# Allegro board 20250806_UNOQ.brd (continued)
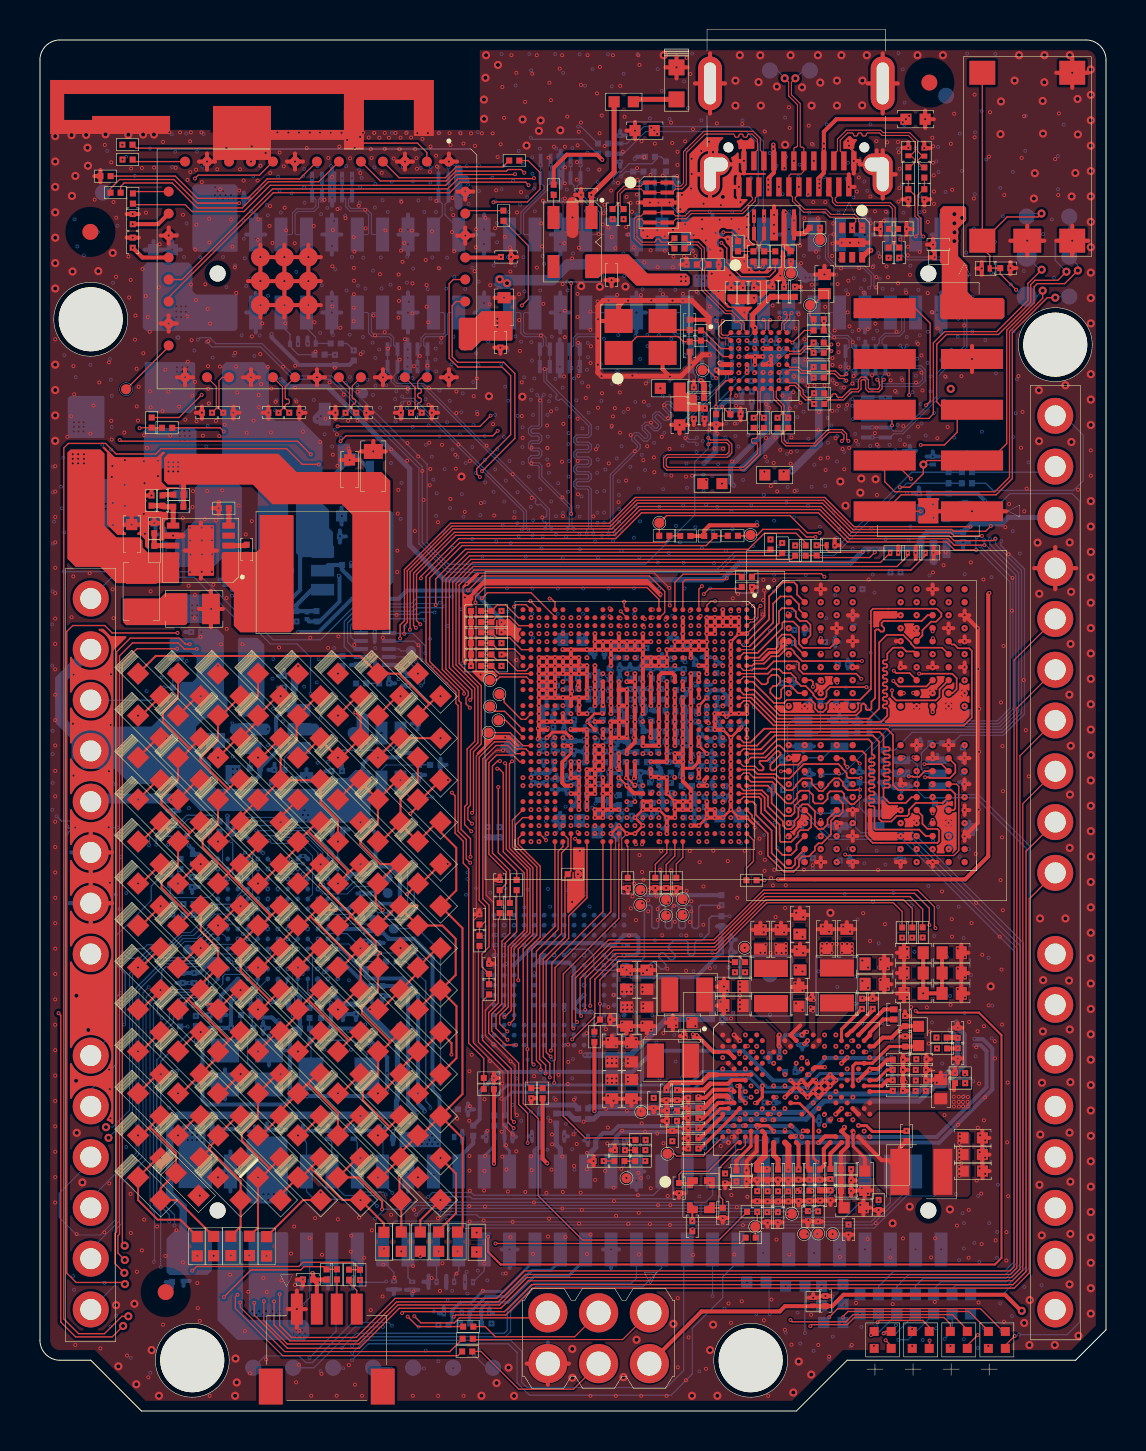
[diagram p0: board, top side]
## Routing (per net, layer and track width the routed paths; a pad name or vN(x,y) marks a point on that pad's centre or on a via; arc(x,y) is an arc through that point) (continued)
  vias: v1(0.76,53.61) v1(0.76,47.26) v1(0.76,45.99) v1(0.76,44.72) v1(0.76,43.45) v1(0.76,42.18) v1(0.76,40.91) v1(0.76,39.64) v1(0.76,38.37) v1(0.76,37.1) v1(0.76,35.83) v1(0.76,34.56) v1(0.76,33.29) v1(0.76,32.02) v1(0.76,30.75) v1(0.76,29.48) v1(0.76,28.21) v1(0.76,26.94) v1(0.76,25.67) v1(0.76,24.4) v1(0.76,23.13) v1(0.76,21.86) v1(0.76,20.59) v1(0.76,19.32) v1(0.76,18.05) v1(0.76,16.78) v1(0.76,15.51) v1(0.76,14.24) v1(0.76,12.97) v1(0.76,11.7) v1(0.76,10.43) v1(1.37,48.73) v1(1.55,49.76) v1(1.58,39.7) v1(1.65,34.38) v1(1.68,52.27) v1(1.72,50.85) v1(1.67,41.74) v1(1.68,36.84) v1(1.68,31.79) v1(1.76,29.18) v1(1.83,8.85) v1(1.77,3.3) v1(2.52,48.89) v1(2.48,41.91) v1(2.73,60.59) v1(2.67,50.3) v1(2.97,51.45) v1(3.02,3.13) v1(3.25,63.33) v1(3.22,8.94) v1(3.44,29.2) v1(3.45,52.45) v1(3.54,34.32) v1(3.45,32.01) v1(3.5,26.43) v1(3.46,17.07) v1(3.5,16.1) v1(3.52,14.64) v1(3.46,11.38) v1(3.56,62.46) v1(3.56,49.53) v1(3.59,48.59) v1(3.62,47.27) v1(3.6,46.72) v1(3.65,45.42) v1(3.63,41.1) v1(3.56,36.85) v1(3.68,60.48) v1(3.65,44.31) v1(3.68,39.66) v1(3.82,59.69) v1(3.81,56.73) v1(4.22,48.95) v1(4.25,47.56) v1(4.25,46.33) v1(4.25,45.27) v1(4.43,57.74) v1(4.36,2.77) v1(4.54,56.58) v1(4.46,55.7) v1(4.53,10.86) v1(4.54,8.9) v1(4.56,62.15) v1(4.78,54.8) v1(4.75,53.59) v1(4.83,52.13) v1(4.84,50.25) v1(4.85,6.97) v1(4.94,51.23) v1(4.91,49.54) v1(5.1,62.18) v1(5.13,57.12) v1(5.1,8.04) v1(5.17,52.91) v1(5.21,48.81) v1(5.21,47.51) v1(5.23,46.41) v1(5.2,44.88) v1(5.25,43.88) v1(5.21,9.57) v1(5.3,59.95) v1(5.29,55.77) v1(5.39,54.72) v1(5.36,48.17) v1(5.42,1.69) v1(5.49,53.98) v1(5.5,51) v1(5.54,50.2) v1(5.54,41) v1(5.71,62.2) v1(5.95,56.21) v1(5.91,47.54) v1(5.91,46.77) v1(5.86,9.23) v1(5.99,58.37) v1(6.13,50.02) v1(6.16,63.48) v1(6.16,4.32) v1(6.28,52.09) v1(6.28,7.75) v1(6.42,50.98) v1(6.48,63.96) v1(6.52,48.79) v1(6.79,62.19) v1(6.83,9.04) v1(7.01,63.96) v1(6.96,50.24) v1(7.16,59.84) v1(7.15,44.66) v1(7.15,7.43) v1(7.27,49.59) v1(7.38,61.58) v1(7.38,54.76) v1(7.39,52.48) v1(7.43,41.28) v1(7.55,63.96) v1(7.51,63.51) v1(7.52,61.97) v1(7.51,44.18) v1(7.52,43.54) v1(7.53,42.84) v1(7.51,41.97) v1(7.55,56.35) v1(7.58,53.56) v1(7.62,50.78) v1(7.63,45.22) v1(7.66,46.02) v1(7.74,39.66) v1(7.81,62.09) v1(7.83,59.34) v1(7.76,58.1) v1(7.81,55.58) v1(7.75,51.48) v1(7.83,49.51) v1(7.75,40.81) v1(7.87,6.4) v1(7.89,5.14) v1(8.04,38.73) v1(8,4.51) v1(8.08,63.96) v1(8.1,61.47) v1(8.09,44.19) v1(8.1,43.55) v1(8.11,42.85) v1(8.09,41.98) v1(8.15,48.78) v1(8.25,44.62) v1(8.28,56.36) v1(8.39,55.13) v1(8.43,53.51) v1(8.4,52.27) v1(8.41,51.13) v1(8.37,46.02) v1(8.46,59.64) v1(8.47,58.45) v1(8.52,54.4) v1(8.46,50.41) v1(8.49,0.76) v1(8.6,44.19) v1(8.61,43.55) v1(8.62,42.85) v1(8.6,41.98) v1(8.68,41.34) v1(8.8,49.53) v1(8.81,44.56) v1(8.87,62.11) v1(9.01,61.1) v1(9.01,52.24) v1(8.97,48.77) v1(9.12,46.05) v1(9.05,38.35) v1(9.24,49.33) v1(9.32,63.18) v1(9.33,40.66) v1(9.35,39.12) v1(9.51,6.82) v1(9.56,59.6) v1(9.63,58.24) v1(9.75,57.21) v1(9.82,55.93) v1(9.77,52.93) v1(9.81,52.24) v1(9.87,50.95) v1(9.94,45.29) v1(10.01,62.11) v1(9.97,61.05) v1(10.13,38.35) v1(10.19,61.55) v1(10.35,48.94) v1(10.29,43.85) v1(10.26,4) v1(10.43,5.96) v1(10.5,1.89) v1(10.6,63.26) v1(10.6,53.75) v1(10.6,44.51) v1(10.69,49.54) v1(10.89,61.55) v1(10.92,59.62) v1(10.9,58.58) v1(10.95,50.82) v1(11.03,62.29) v1(11.02,52.87) v1(10.96,50.22) v1(11.12,54.4) v1(11.06,51.37) v1(11.17,6.65) v1(11.29,62.93) v1(11.35,5.96) v1(11.31,2.58) v1(11.4,52.23) v1(11.52,61.93) v1(11.51,60.27) v1(11.49,59.28) v1(11.63,58.43) v1(11.58,51.15) v1(11.55,48.95) v1(11.79,50.48) v1(11.88,63.96) v1(11.99,62.95) v1(11.96,38.19) v1(12.09,6.53) v1(12.2,62.26) v1(12.24,60.19) v1(12.17,52.24) v1(12.32,59.06) v1(12.27,54.41) v1(12.43,63.95) v1(12.56,7.88) v1(12.74,58.41) v1(12.72,9.23) v1(12.77,52.28) v1(12.77,51.19) v1(12.84,50.49) v1(12.76,6.3) v1(12.81,1.44) v1(12.96,63.95) v1(12.97,4.01) v1(12.96,2.31) v1(13.16,48.99) v1(13.35,63.17) v1(13.5,63.95) v1(13.53,38.68) v1(13.49,8.64) v1(13.57,0.76) v1(13.7,59.27) v1(13.73,54.46) v1(13.79,52.99) v1(13.77,9.65) v1(14.01,63.95) v1(14.02,48.47) v1(14.11,7.82) v1(14.09,1.86) v1(14.23,60.59) v1(14.29,49.64) v1(14.43,62.68) v1(14.42,38.17) v1(14.49,51.45) v1(14.56,63.94) v1(14.62,61.73) v1(14.63,57.26) v1(14.63,55.26) v1(14.65,59.08) v1(14.65,47.84) v1(14.76,52.19) v1(14.84,0.76) v1(14.88,60.12) v1(14.86,48.85) v1(14.88,47.28) v1(14.93,38.74) v1(14.9,9.59) v1(14.98,63.25) v1(15.04,54.19) v1(15.09,63.94) v1(15.2,50.84) v1(15.29,59.67) v1(15.37,63.58) v1(15.41,49.53) v1(15.45,48.15) v1(15.52,62.66) v1(15.49,47.57) v1(15.46,2.29) v1(15.57,8.77) v1(15.55,7.97) v1(15.7,58.72) v1(15.73,57.99) v1(15.71,57.18) v1(15.71,56.53) v1(15.71,55.86) v1(15.7,55.19) v1(15.7,54.52) v1(15.73,38.33) v1(15.75,63.18) v1(15.76,1.32) v1(15.95,60.29) v1(15.9,50.98) v1(15.89,49.54) v1(16.02,63.73) v1(16.03,61.92) v1(16.05,52.87) v1(15.96,9.67) v1(16.11,0.76) v1(16.17,63.94) v1(16.22,7.67) v1(16.27,60.09) v1(16.3,59.16) v1(16.45,63.7) v1(16.55,5.04) v1(16.55,63.12) v1(16.59,62.67) v1(16.59,37.81) v1(16.61,9.04) v1(16.72,63.93) v1(16.69,54.8) v1(16.77,53.81) v1(16.98,63.69) v1(17.01,56.87) v1(17.1,61.94) v1(17.14,5.73) v1(17.25,63.93) v1(17.25,63.13) v1(17.25,53.97) v1(17.16,38.69) v1(17.18,7.32) v1(17.29,59.06) v1(17.41,53.14) v1(17.46,63.69) v1(17.57,48.1) v1(17.57,9.81) v1(17.7,62.65) v1(17.73,6.67) v1(17.79,63.93) v1(17.84,39.83) v1(17.95,56.85) v1(17.93,54.7) v1(17.93,46.08) v1(17.9,44.89) v1(17.88,43.03) v1(17.87,41.97) v1(18.04,63.69) v1(17.99,63.12) v1(18.05,59.06) v1(17.98,56.17) v1(17.96,55.53) v1(18,52.59) v1(17.98,37.31) v1(18.08,60.48) v1(18.06,58.05) v1(18.14,57.48) v1(18.23,58.42) v1(18.33,63.93) v1(18.27,53.61) v1(18.41,51.14) v1(18.39,48.41) v1(18.38,47.53) v1(18.46,50.41) v1(18.57,63.7) v1(18.61,59.05) v1(18.64,56.41) v1(18.64,54.91) v1(18.7,52.26) v1(18.72,10.06) v1(18.66,7.25) v1(18.69,5.99) v1(18.65,0.76) v1(18.77,63.12) v1(18.84,62.67) v1(18.76,44.02) v1(18.88,63.92) v1(18.86,62.14) v1(18.93,47.75) v1(18.93,38.31) v1(19,52.77) v1(19.14,63.63) v1(19.13,47.02) v1(19.2,45.58) v1(19.3,57.58) v1(19.34,56.32) v1(19.34,55.24) v1(19.41,63.92) v1(19.43,54.46) v1(19.38,52.29) v1(19.44,50.34) v1(19.54,63.25) v1(19.51,61.99) v1(19.46,51.17) v1(19.48,48.43) v1(19.53,47.12) v1(19.5,46.3) v1(19.61,59) v1(19.59,6.65) v1(19.82,62.79) v1(19.83,60.52) v1(19.95,63.92) v1(19.87,62.25) v1(19.91,44.46) v1(19.91,9.64) v1(19.92,0.76) v1(19.95,57.17) v1(20.02,6) v1(20.09,53.68) v1(20.11,48.33) v1(20.14,7.39) v1(20.49,63.92) v1(20.55,63.33) v1(20.54,45.62) v1(20.64,60.68) v1(20.62,58.97) v1(20.68,59.82) v1(20.73,58.02) v1(20.84,51) v1(20.84,49.92) v1(20.79,47.83) v1(20.8,47.13) v1(20.84,6.88) v1(20.94,48.34) v1(20.88,14.62) v1(21.04,63.91) v1(21.19,63.4) v1(21.24,37.62) v1(21.19,0.76) v1(21.25,44.98) v1(21.51,47.52) v1(21.49,17) v1(21.51,15.25) v1(21.48,14.52) v1(21.49,12.76) v1(21.49,12.03) v1(21.5,11.02) v1(21.48,10.25) v1(21.5,9.48) v1(21.57,63.91) v1(21.6,17.82) v1(21.75,57.02) v1(21.7,50.76) v1(21.77,63.28) v1(21.82,59.11) v1(21.8,58.21) v1(21.86,51.65) v1(21.89,49.87) v1(22.05,36.84) v1(22.11,63.91) v1(22.07,45.41) v1(22.25,15.6) v1(22.24,12.02) v1(22.22,11.03) v1(22.2,9.53) v1(22.23,7.38) v1(22.16,6.01) v1(22.29,59.68) v1(22.34,48.29) v1(22.27,12.76) v1(22.27,10.23) v1(22.39,14.02) v1(22.53,56.31) v1(22.5,55.35) v1(22.52,17.5) v1(22.65,63.91) v1(22.67,49.37) v1(22.73,44.8) v1(22.68,18.36) v1(22.83,61.06) v1(22.77,59.16) v1(22.9,62.73) v1(23.14,66.22) v1(23.05,63.36) v1(23.09,40.02) v1(23.09,38.41) v1(23.09,37.27) v1(23.14,16.38) v1(23.09,15.62) v1(23.11,13.97) v1(23.13,12.72) v1(23.23,64.69) v1(23.26,58.73) v1(23.32,13.29) v1(23.34,12.08) v1(23.3,6.88) v1(23.41,10.98) v1(23.52,58.2) v1(23.54,57) v1(23.55,17.5) v1(23.54,8.69) v1(23.59,67.82) v1(23.66,46.87) v1(23.73,44.69) v1(23.66,9.46) v1(23.83,66.94) v1(23.84,37.56) v1(23.83,12.99) v1(23.87,59.95) v1(23.98,55.87) v1(23.98,54.57) v1(24.02,53.02) v1(24.07,60.97) v1(24.11,51.45) v1(24.11,49.77) v1(24.16,48.68) v1(24.27,65.48) v1(24.29,10.96) v1(24.64,66.89) v1(24.6,48.19) v1(24.59,47.41) v1(24.61,45.67) v1(24.57,12.74) v1(24.6,12.05) v1(24.73,16.75) v1(24.71,10.44) v1(24.66,7.86) v1(24.86,67.82) v1(24.86,57.2) v1(24.91,34.14) v1(24.9,33.62) v1(25.02,50.55) v1(24.97,39.28) v1(24.97,38.48) v1(24.97,32.48) v1(24.97,31.68) v1(24.97,30.88) v1(24.97,30.08) v1(24.97,29.28) v1(25.08,59.41) v1(25.12,58.26) v1(25.06,53.8) v1(25.14,44.7) v1(25.16,60.54) v1(25.18,55.38) v1(25.25,52.12) v1(25.34,10.91) v1(25.45,62.7) v1(25.38,49.3) v1(25.39,48.18) v1(25.44,47.33) v1(25.4,34.17) v1(25.42,8.73) v1(25.49,66.44) v1(25.54,14.51) v1(25.48,9.62) v1(25.57,65.57) v1(25.57,50.01) v1(25.61,13.84) v1(25.62,13.34) v1(25.59,12.07) v1(25.72,63.24) v1(25.68,33.35) v1(25.8,15.57) v1(25.95,16.82) v1(26,67.14) v1(26.13,67.82) v1(26.11,47.48) v1(26.14,45.7) v1(26.15,38.1) v1(26.14,12.73) v1(26.14,10.13) v1(26.24,58.42) v1(26.16,56.37) v1(26.22,51.75) v1(26.18,49.38) v1(26.17,44.76) v1(26.17,39.28) v1(26.16,10.96) v1(26.26,63.24) v1(26.27,62.21) v1(26.26,61.41) v1(26.26,60.65) v1(26.27,55.04) v1(26.25,53.72) v1(26.3,8.7) v1(26.38,64.75) v1(26.43,18.32) v1(26.43,17.46) v1(26.41,16.36) v1(26.62,57.66) v1(26.63,36) v1(26.55,35.75) v1(26.57,29.28) v1(26.62,25.46) v1(26.72,15.57) v1(26.7,13.84) v1(26.73,12.26) v1(26.9,63.31) v1(26.87,62.47) v1(26.86,61.59) v1(26.89,55.88) v1(26.9,54.73) v1(26.93,53.43) v1(26.95,51.78) v1(26.9,49.64) v1(26.91,47.52) v1(26.92,45.85) v1(26.86,13.36) v1(26.96,63.99) v1(26.97,58.19) v1(26.97,39.28) v1(27,35.32) v1(27,28.02) v1(26.98,9.38) v1(27.07,66.33) v1(27.07,64.45) v1(27.05,37.3) v1(27.05,17.97) v1(27.05,10.92) v1(27.11,10.06) v1(27.2,14.47) v1(27.31,50.67) v1(27.4,67.82) v1(27.43,51.25) v1(27.39,36.06) v1(27.38,32.48) v1(27.35,18.9) v1(27.37,12.9) v1(27.37,12.1) v1(27.37,7.86) v1(27.54,54.99) v1(27.54,54.08) v1(27.54,0.76) v1(27.57,53.26) v1(27.55,52.42) v1(27.55,8.83) v1(27.69,44.75) v1(27.82,48.1) v1(27.78,11.56) v1(27.87,65.91) v1(27.9,55.5) v1(27.92,50.19) v1(28.02,67.23) v1(28,63.91) v1(28,62.1) v1(27.96,58.87) v1(28.11,64.81) v1(28.12,50.91) v1(28.25,60.34) v1(28.2,59.91) v1(28.16,59.35) v1(28.18,35.32) v1(28.25,63.27) v1(28.32,19.09) v1(28.33,15.12) v1(28.27,12.02) v1(28.45,59.19) v1(28.45,55.55) v1(28.44,20.2) v1(28.42,18.57) v1(28.42,15.77) v1(28.41,14.18) v1(28.39,13.38) v1(28.46,47.4) v1(28.53,34.43) v1(28.58,61.05) v1(28.61,58.73) v1(28.61,49.28) v1(28.67,67.82) v1(28.67,49.75) v1(28.7,20.81) v1(28.7,15.52) v1(28.7,11.17) v1(28.72,10.5) v1(28.79,58.17) v1(28.76,50.16) v1(28.8,18.26) v1(28.83,9.77) v1(28.81,0.76) v1(28.92,61.43) v1(28.88,55.83) v1(28.95,45.46) v1(29.04,66.28) v1(29,51.38) v1(29.01,50.95) v1(29.02,48.94) v1(29.13,19.43) v1(29.13,14.03) v1(29.09,12.11) v1(29.25,64.74) v1(29.16,62.99) v1(29.16,22.2) v1(29.34,61.59) v1(29.35,60.73) v1(29.33,59.22) v1(29.32,46.55) v1(29.44,58.85) v1(29.43,55.54) v1(29.42,50.12) v1(29.36,15.02) v1(29.44,9.37) v1(29.48,23.79) v1(29.54,21.89) v1(29.46,13.37) v1(29.55,60.43) v1(29.62,59.99) v1(29.64,51.79) v1(29.56,48.82) v1(29.65,25.74) v1(29.57,25.14) v1(29.57,19.08) v1(29.72,58.2) v1(29.73,26.39) v1(29.72,15.52) v1(29.76,48.01) v1(29.82,24.55) v1(29.82,18.59) v1(29.94,67.82) v1(29.88,62.17) v1(29.9,61.59) v1(29.86,60.85) v1(29.9,60.44) v1(29.92,10.8) v1(30,67.33) v1(30,27.8) v1(29.96,9.91) v1(29.98,7.83) v1(30.1,63.52) v1(30.07,55.82) v1(30.12,26.96) v1(30.11,14.39) v1(30.07,11.65) v1(30.08,0.76) v1(30.24,62.72) v1(30.16,59.05) v1(30.24,57.45) v1(30.22,50.48) v1(30.19,47.56) v1(30.2,30.4) v1(30.2,26.58) v1(30.18,21.89) v1(30.31,51.4) v1(30.32,18.66) v1(30.39,58.76) v1(30.38,48.26) v1(30.43,25.55) v1(30.43,25) v1(30.48,26.06) v1(30.52,9.35) v1(30.55,61.83) v1(30.55,58.06) v1(30.59,55.55) v1(30.57,49.44) v1(30.56,22.23) v1(30.58,19.08) v1(30.57,11.14) v1(30.72,47.7) v1(30.74,46.96) v1(30.77,63.4) v1(30.84,25.74) v1(30.88,59.06) v1(30.9,57.22) v1(30.91,25.11) v1(30.91,24.57) v1(30.89,13.88) v1(30.93,10.3) v1(31.04,27.08) v1(31.11,48.73) v1(31.08,28.02) v1(31.14,23.8) v1(31.16,61.8) v1(31.17,55.86) v1(31.24,50.31) v1(31.19,18.9) v1(31.2,13.39) v1(31.27,58.76) v1(31.27,58.04) v1(31.33,11.54) v1(31.42,49.67) v1(31.37,39.28) v1(31.36,37.29) v1(31.45,30.9) v1(31.36,29.65) v1(31.39,22.12) v1(31.41,10.76) v1(31.35,0.76) v1(31.5,60.45) v1(31.5,48.13) v1(31.51,40.3) v1(31.54,10.29) v1(31.52,9.31) v1(31.58,64.44) v1(31.64,63.43) v1(31.65,55.54) v1(31.59,46.79) v1(31.58,27.05) v1(31.67,59.09) v1(31.7,57.74) v1(31.66,57.2) v1(31.74,25.84) v1(31.73,25.27) v1(31.76,24.47) v1(31.8,19.58) v1(31.83,19.28) v1(31.9,62.99) v1(31.9,62.33) v1(31.88,61.78) v1(31.91,5.65) v1(31.91,2.19) v1(32.04,60.11) v1(32.12,60.83) v1(32.22,57.76) v1(32.17,55.88) v1(32.17,55.53) v1(32.17,28.88) v1(32.16,18.85) v1(32.28,63.51) v1(32.28,59.37) v1(32.29,48.67) v1(32.33,46.74) v1(32.34,23.79) v1(32.33,22.02) v1(32.31,18.69) v1(32.32,1.54) v1(32.35,67.69) v1(32.35,26.02) v1(32.54,66.88) v1(32.52,28.02) v1(32.52,24.46) v1(32.47,15.25) v1(32.45,3.69) v1(32.6,62.64) v1(32.61,61.88) v1(32.58,61.15) v1(32.63,46.78) v1(32.57,39.68) v1(32.59,25.5) v1(32.59,25) v1(32.67,64.12) v1(32.7,58.82) v1(32.68,58.02) v1(32.68,7.8) v1(32.79,57.78) v1(32.85,55.99) v1(32.96,32.84) v1(33.01,27.45) v1(33.09,63.03) v1(33.12,59.6) v1(33.13,59.13) v1(33.2,60.39) v1(33.2,26.24) v1(33.19,24.32) v1(33.33,58.55) v1(33.33,2.11) v1(33.37,28.88) v1(33.47,63.49) v1(33.53,58.1) v1(33.51,55.25) v1(33.49,49.06) v1(33.52,22.14) v1(33.61,56.89) v1(33.74,48.14) v1(33.69,28.03) v1(33.8,58.93) v1(33.8,34.5) v1(33.87,64.41) v1(33.9,48.89) v1(34,59.59) v1(34.05,58.04) v1(33.95,56.01) v1(33.96,25.2) v1(34.07,60.31) v1(34.06,20.47) v1(34.18,48.13) v1(34.16,17.68) v1(34.16,17.11) v1(34.28,11.43) v1(34.41,58.62) v1(34.41,27.5) v1(34.39,21.03) v1(34.37,20.07) v1(34.45,13.43) v1(34.53,56.81) v1(34.45,5.38) v1(34.6,59.63) v1(34.63,47.5) v1(34.58,19.64) v1(34.58,16.09) v1(34.57,15.54) v1(34.62,13.72) v1(34.59,10.8) v1(34.58,4.41) v1(34.66,40.65) v1(34.74,7.83) v1(34.84,50.79) v1(34.83,50.28) v1(34.77,49.4) v1(34.93,40.88) v1(34.89,25.67) v1(34.87,10.2) v1(35.05,60.47) v1(34.97,59.12) v1(34.95,57.27) v1(34.99,14) v1(35.14,64.37) v1(35.11,5.49) v1(35.24,57.52) v1(35.24,54.95) v1(35.17,9.3) v1(35.26,28.02) v1(35.39,59.74) v1(35.37,59.22) v1(35.35,58.66) v1(35.41,40.42) v1(35.39,10.71) v1(35.48,57.08) v1(35.77,29.19) v1(36,28.63) v1(36.05,27.92) v1(36.2,41.58) v1(36.23,41.05) v1(36.19,40.56) v1(36.16,39.84) v1(36.2,24.23) v1(36.21,23.94) v1(36.22,4.54) v1(36.27,64) v1(36.33,50.37) v1(36.33,48.67) v1(36.3,47.73) v1(36.27,27.57) v1(36.26,27.02) v1(36.41,9.43) v1(36.43,0.76) v1(36.49,57.1) v1(36.49,50.18) v1(36.57,46.27) v1(36.58,26.66) v1(36.6,5.58) v1(36.73,59.83) v1(36.73,58.9) v1(36.66,55.3) v1(36.71,47.42) v1(36.73,41.55) v1(36.74,27.07) v1(36.67,26.29) v1(36.8,48.69) v1(36.8,24.7) v1(36.89,46) v1(36.91,24.19) v1(36.85,8.57) v1(37.05,56.8) v1(37,54.69) v1(37.04,48.08) v1(37.15,50.79) v1(37.23,23.94) v1(37.31,26.3) v1(37.28,25.16) v1(37.27,4.06) v1(37.48,65.22) v1(37.51,64.19) v1(37.53,50.62) v1(37.52,50.15) v1(37.46,35.91) v1(37.46,31.36) v1(37.46,30.06) v1(37.49,7.83) v1(37.6,48.7) v1(37.57,47.97) v1(37.56,47.39) v1(37.6,3.32) v1(37.73,51.75) v1(37.7,50.96) v1(37.8,54.15) v1(37.76,52.53) v1(37.76,46.02) v1(37.84,24.93) v1(37.8,21.39) v1(37.87,23.1) v1(38.03,58.3) v1(37.96,54.86) v1(38.08,57.41) v1(38.13,51.55) v1(38.05,50.44) v1(38.09,16.46) v1(38.25,59.66) v1(38.25,53.61) v1(38.23,27.07) v1(38.19,24.7) v1(38.18,22.91) v1(38.15,21.03) v1(38.3,52.59) v1(38.26,35.26) v1(38.26,33.31) v1(38.41,51.29) v1(38.39,16.16) v1(38.47,64.3) v1(38.45,9.55) v1(38.62,63.38) v1(38.62,56.34) v1(38.56,20.7) v1(38.59,4.81) v1(38.69,60.47) v1(38.66,27.3) v1(38.71,20.55) v1(38.84,57.99) v1(38.75,51.3) v1(38.92,59.66) v1(38.94,15.78) v1(38.95,3.31) v1(38.98,49.97) v1(38.95,49.07) v1(39.06,47.65) v1(39.06,37.21) v1(39.06,32.66) v1(39.17,24.23) v1(39.29,60.47) v1(39.29,55.23) v1(39.26,51.3) v1(39.31,47.07) v1(39.26,18.81) v1(39.42,47.69) v1(39.49,23.98) v1(39.49,2.72) v1(39.64,57.78) v1(39.65,50.02) v1(39.69,59.4) v1(39.7,58.86) v1(39.66,58.4) v1(39.74,53.7) v1(39.66,52.67) v1(39.66,52.33) v1(39.66,51.55) v1(39.76,54.05) v1(39.81,48.66) v1(39.81,14.85) v1(39.91,56.37) v1(39.94,53.35) v1(39.87,51.37) v1(39.86,33.31) v1(39.95,52.96) v1(40.05,52.24) v1(39.97,50.26) v1(40.02,7.71) v1(40.12,58.44) v1(40.08,57.16) v1(40.23,51.2) v1(40.16,48.12) v1(40.24,47.11) v1(40.19,24.23) v1(40.43,63.53) v1(40.45,56.54) v1(40.43,55.86) v1(40.41,54.95) v1(40.39,50.33) v1(40.48,63.29) v1(40.53,58.44) v1(40.51,54.26) v1(40.45,52.2) v1(40.48,48.17) v1(40.54,23.98) v1(40.46,8.82) v1(40.65,51.4) v1(40.59,18.52) v1(40.62,3.3) v1(40.67,53.47) v1(40.72,51.77) v1(40.66,31.36) v1(40.83,48.53) v1(40.83,5.41) v1(40.87,61) v1(40.97,61.7) v1(40.97,58.45) v1(40.99,57.17) v1(40.97,54.08) v1(41.05,10.31) v1(41.09,60) v1(41.12,11.15) v1(41.21,55.95) v1(41.19,24.9) v1(41.24,14) v1(41.42,54.12) v1(41.43,10.87) v1(41.35,10.01) v1(41.41,8.6) v1(41.55,60.75) v1(41.46,41.59) v1(41.53,23.51) v1(41.52,13.72) v1(41.57,59.42) v1(41.63,51.81) v1(41.67,57.22) v1(41.78,60.01) v1(41.8,54.39) v1(41.77,48.91) v1(41.81,9.4) v1(41.85,63.52) v1(41.85,56.72) v1(41.85,56.21) v1(41.86,49.19) v1(41.88,48.34) v1(41.88,45.82) v1(41.94,27.06) v1(42.02,57.74) v1(42.06,22.58) v1(42.23,59.54) v1(42.33,59.99) v1(42.28,24.36) v1(42.39,63.46) v1(42.36,57.25) v1(42.43,56.71) v1(42.42,22.15) v1(42.42,21.13) v1(42.46,51.86) v1(42.56,51.55) v1(42.55,7.68) v1(42.66,5.34) v1(42.79,51.02) v1(42.93,63.48) v1(42.93,56.41) v1(42.85,53.99) v1(42.97,62.96) v1(43.01,62.14) v1(43,61.17) v1(42.96,60.5) v1(43.05,58.6) v1(43.15,51.58) v1(43.2,49.26) v1(43.18,8.63) v1(43.34,55.95) v1(43.27,48.34) v1(43.32,16.46) v1(43.43,58.24) v1(43.42,57.81) v1(43.38,23.11) v1(43.41,22.71) v1(43.38,22.12) v1(43.38,21.69) v1(43.36,21.08) v1(43.38,20.7) v1(43.53,56.83) v1(43.59,20.2) v1(43.84,51.44) v1(43.92,53.38) v1(43.93,49.24) v1(43.86,35.26) v1(43.86,33.31) v1(44.02,57.98) v1(44.1,52.8) v1(44.11,51.94) v1(44.25,60.01) v1(44.16,51.05) v1(44.42,59.48) v1(44.41,55.92) v1(44.38,20.2) v1(44.52,18.98) v1(44.47,18.38) v1(44.65,63.69) v1(44.63,54.97) v1(44.6,31.33) v1(44.59,7.68) v1(44.69,63.26) v1(44.68,62.44) v1(44.72,61.81) v1(44.73,61) v1(44.73,60.38) v1(44.68,45.35) v1(44.71,44.68) v1(44.69,41.95) v1(44.79,8.64) v1(44.77,5.46) v1(44.91,54.15) v1(44.9,48.66) v1(44.87,16.42) v1(45.13,25.99) v1(45.21,42.3) v1(45.29,51.74) v1(45.32,42.97) v1(45.25,16.73) v1(45.26,14.8) v1(45.42,49.22) v1(45.58,63.39) v1(45.65,61.09) v1(45.62,24.6) v1(45.63,23.73) v1(45.56,20.32) v1(45.74,64.89) v1(45.79,16.9) v1(45.92,23.14) v1(45.92,22.12) v1(45.92,21.11) v1(45.93,14.31) v1(45.88,9.28) v1(46.1,51.77) v1(46.24,54.31) v1(46.28,22.71) v1(46.28,21.69) v1(46.28,20.68) v1(46.49,19.46) v1(46.47,10.06) v1(46.47,7.67) v1(46.63,52.62) v1(46.63,45) v1(46.58,42.45) v1(46.61,24.41) v1(46.73,60.65) v1(46.77,65.84) v1(46.77,63.71) v1(46.82,27.88) v1(46.84,25.42) v1(46.84,18.2) v1(46.91,19) v1(46.92,14.17) v1(46.87,11.54) v1(46.95,37.12) v1(46.99,35.12) v1(46.99,32.98) v1(46.97,30.09) v1(46.99,16.38) v1(47.04,13.79) v1(47.02,12.95) v1(47.02,12.14) v1(46.96,5.43) v1(47.15,22.82) v1(47.09,10.88) v1(47.12,8.35) v1(47.2,41.59) v1(47.23,19.25) v1(47.23,14.54) v1(47.29,15.69) v1(47.29,13.54) v1(47.29,12.67) v1(47.29,11.86) v1(47.53,64.97) v1(47.48,62.74) v1(47.47,20.29) v1(47.77,18.5) v1(47.78,17.64) v1(47.81,8.54) v1(48.02,23.73) v1(48.09,35.45) v1(48.13,28.7) v1(48.06,26.56) v1(48.11,22.08) v1(48.14,19.33) v1(48.25,60.82) v1(48.21,38.27) v1(48.16,33.26) v1(48.19,31) v1(48.18,25.05) v1(48.23,4.47) v1(48.3,44.21) v1(48.42,16.43) v1(48.4,13.44) v1(48.45,10.74) v1(48.35,8.95) v1(48.35,7.53) v1(48.49,45.37) v1(48.47,42.86) v1(48.63,40.03) v1(48.66,41.67) v1(48.96,51.77) v1(49.12,62.69) v1(49.09,48.19) v1(49.24,64.77) v1(49.16,49.98) v1(49.25,45.01) v1(49.23,36.56) v1(49.33,34.05) v1(49.37,46.13) v1(49.48,31.75) v1(50.8,62.62) v1(50.95,60.82) v1(50.98,64.91) v1(51.94,46.09) v1(52.58,48.05) v1(52.58,46.78) v2(0.76,53.61) v2(0.76,45.99) v2(0.76,44.72) v2(0.76,43.45) v2(0.76,42.18) v2(0.76,40.91) v2(0.76,39.64) v2(0.76,38.37) v2(0.76,37.1) v2(0.76,35.83) v2(0.76,34.56) v2(0.76,33.29) 